# Altium PCB MCH_MAIN.PCBDOC (part 5 of 14)
Units mil, origin at the board's own origin, x right, y up, seen from the top; angles counter-clockwise.
Board outline 7110.66 x 2894.12 mil, 6 copper layers (Top Layer, Power, MidLayer1, MidLayer4, GND, Bottom Layer), stack 61.549 mil thick; 630 components, 1085 nets, 3940 pads, 2676 vias.
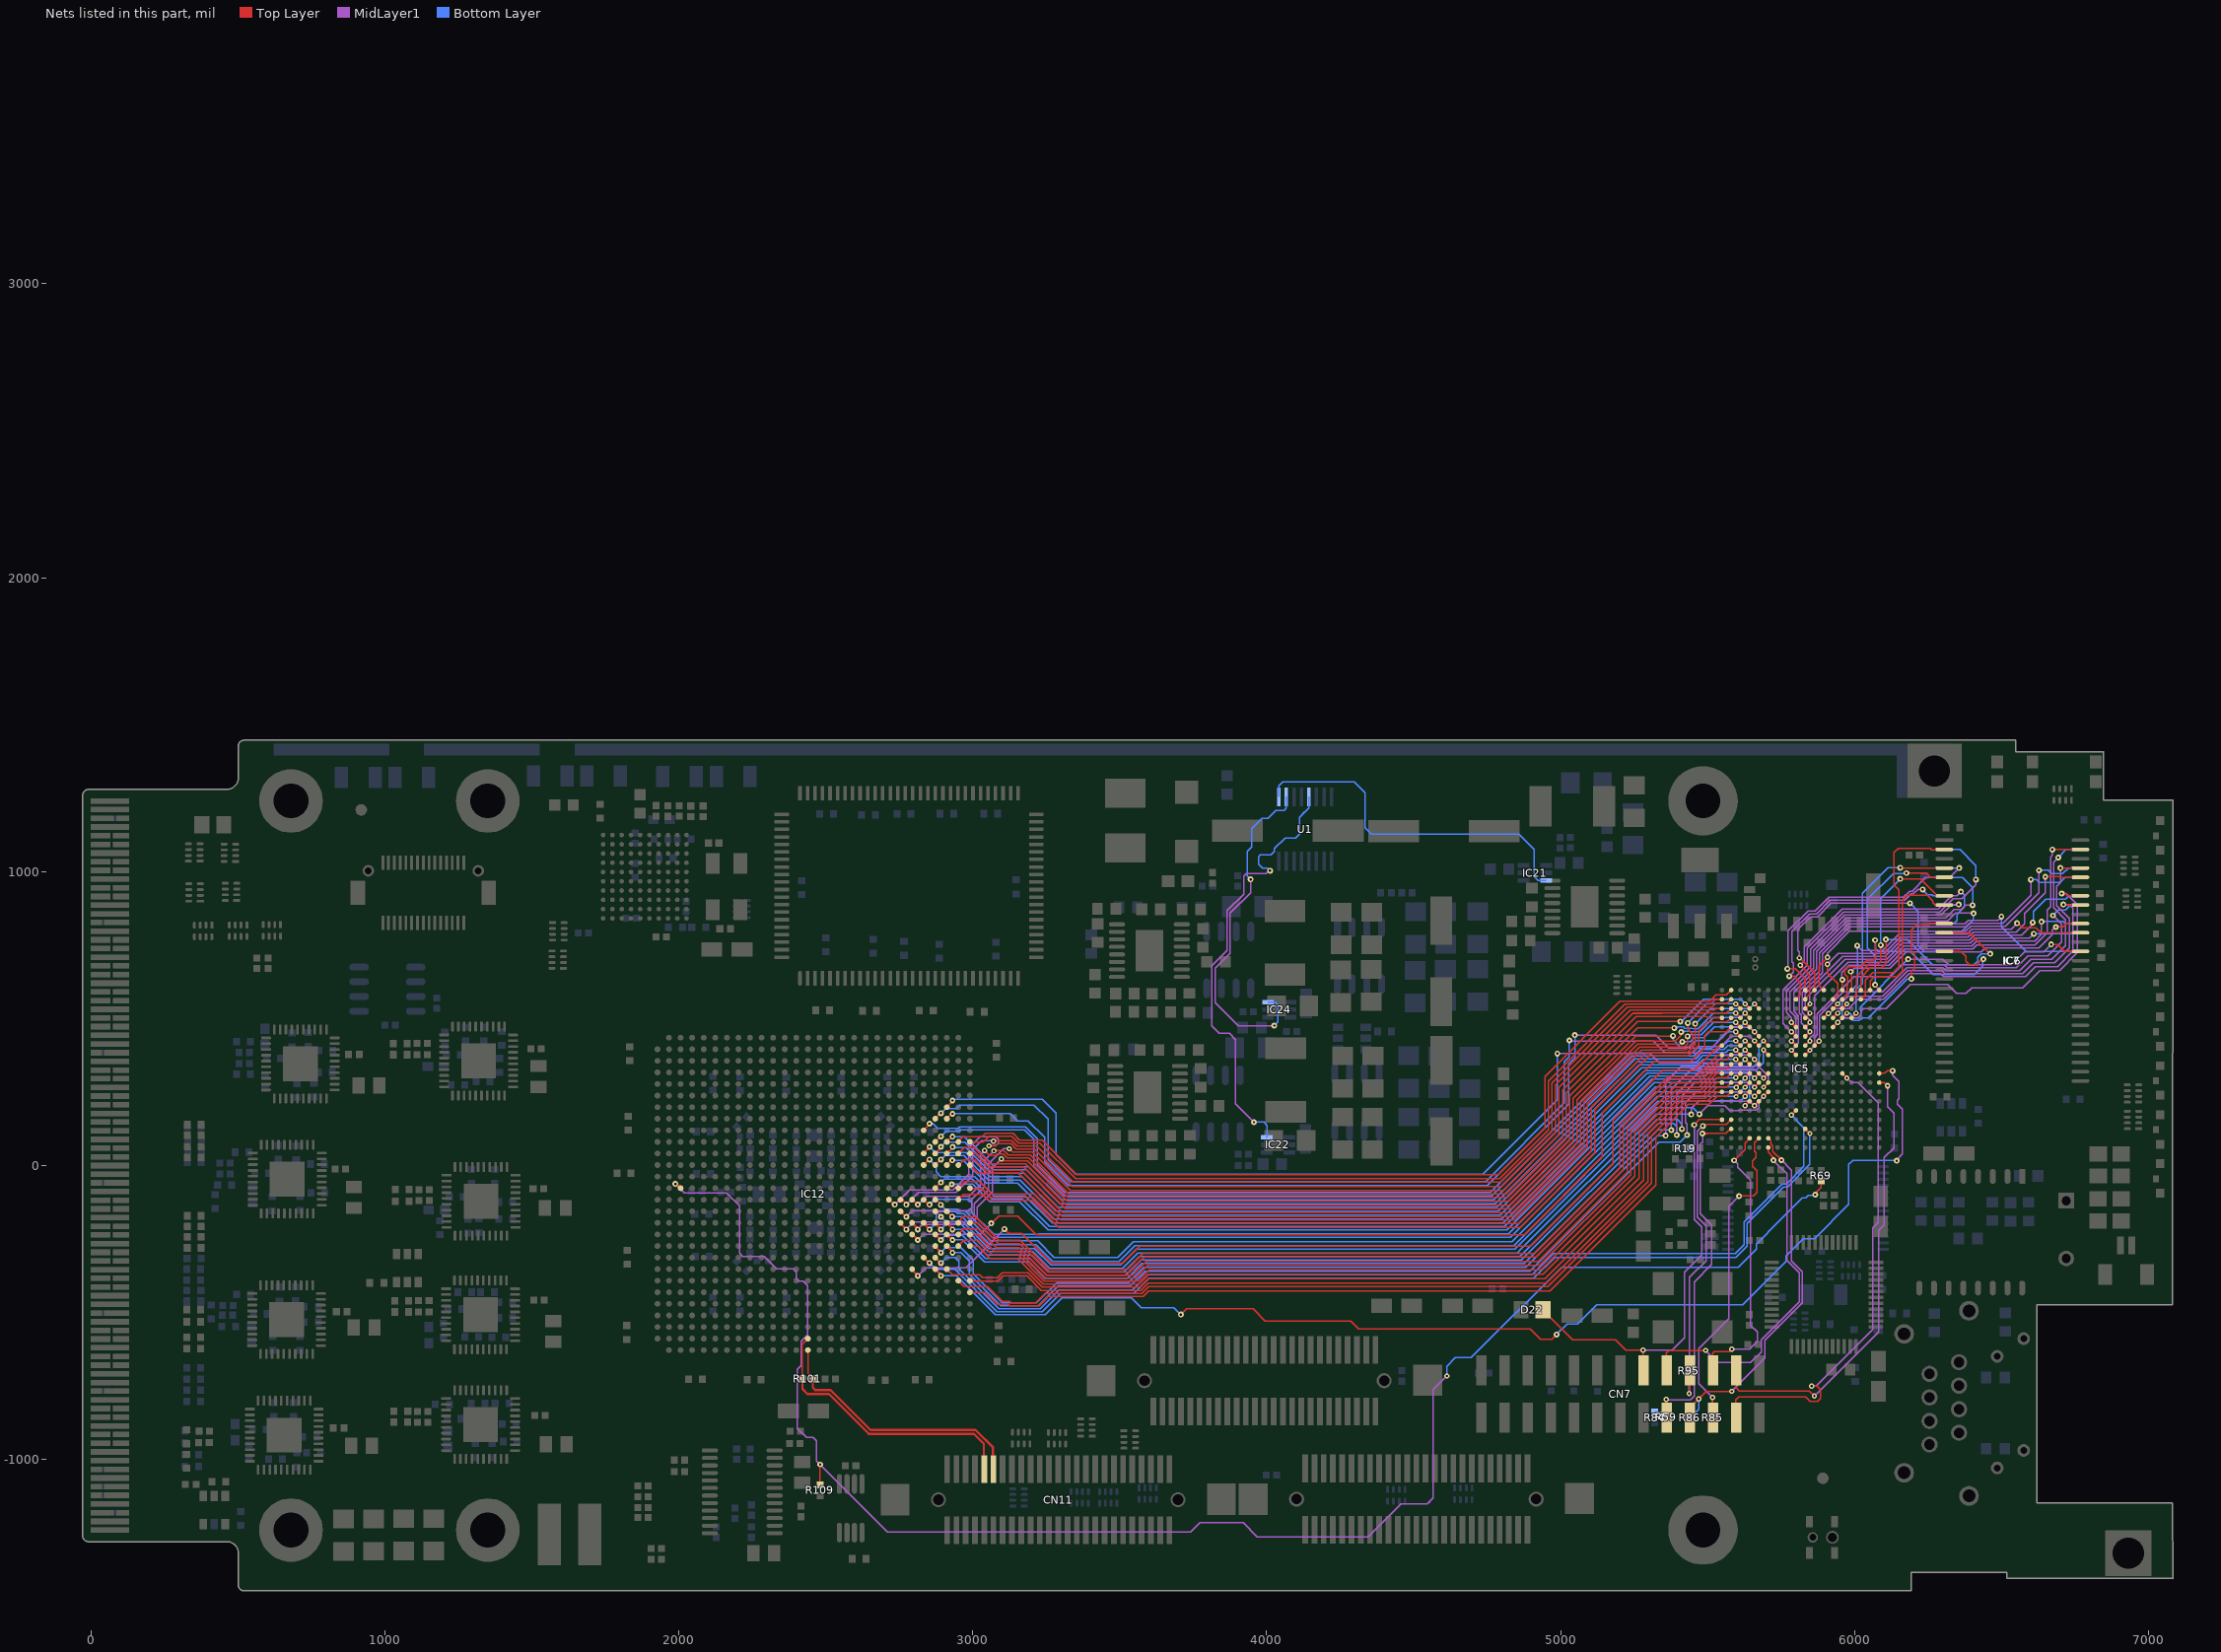
[diagram p9: the nets of this part, all layers, seen from the top]

## Via types
v1: diameter 20, hole 8, Top Layer to Bottom Layer, tented both sides, 1658 vias
v2: diameter 18, hole 8, Top Layer to Bottom Layer, tented both sides, 580 vias
v3: diameter 24, hole 10, Top Layer to Bottom Layer, tented both sides, 438 vias

## Nets (pads, with @x,y where several pads share a name; then routed paths per layer and width w, separated by ;. In a path a pad name is that pad's centre, name@x,y a point inside that pad or via, vN(x,y) a via of type N, cw(c..) or ccw(c..) an arc to the next point about the centre after c; other vN are vias at no path point) (continued)
CPU_A6: IC5.N7 IC12.M25 | length 3234.9
  Top Layer w5: v1@2888.1,17.4 IC12.M25@2872.43,1.73 v1@2891.05,20.35
  Top Layer w8: v2(5690.23,423.94) IC5.N7@5705.98,408.19
  Bottom Layer w5: v1(2892.03,20.35) 2905.78,34.1 2969.8,34.1 3053,-49.1 3160.4,-49.1 3279.4,-168.1 4793.8,-168.1 5285.28,323.38 5481.04,323.38 5492.65,334.99 5654.7,334.99 5674.24,354.53 5674.24,407.45 5690.23,423.44 v2(5690.23,423.94)
CPU_A7: IC5.T7 IC12.J24 | length 3160.7
  Top Layer w5: IC12.J24@2833.06,119.84 v1@2852.66,139.45
  Top Layer w8: v2(5595.74,423.94) IC5.T7@5611.49,408.19
  Bottom Layer w5: v1(2852.66,142.4) 2864.47,142.4 2880.97,125.9 2948.97,125.9 2954.47,131.4 3179.97,131.4 3219.8,91.57 3219.8,2.53 3314.43,-92.1 4760.77,-92.1 5050.8,197.93 5050.8,197.99 5236.19,383.38 5448.84,383.38 5470.02,404.56 5548.66,404.56 5568.05,423.94 v2(5595.74,423.94)
CPU_A8: IC5.P7 IC12.H25 | length 3398.6
  Top Layer w5: v1@2888.1,174.88 IC12.H25@2872.43,159.21 v1@2891.05,177.83
  Top Layer w8: v2(5658.74,423.94) IC5.P7@5674.48,408.19
  MidLayer1 w5: v1(5029.61,425.68) 5031.79,423.49 5315.83,423.49 5355.79,383.53 5523.95,383.53 5579.86,439.44 5588.83,439.44 ; 5588.71,439.33 5588.83,439.44 ; v2(5658.74,423.94) 5643.24,439.44 5588.83,439.44
  Bottom Layer w5: v1(2892.03,177.83) 2907.76,193.56 2945,193.56 2956.94,205.5 3208.8,205.5 3256.4,157.9 3256.4,20.9 3331.4,-54.1 4745.03,-54.1 5012.8,213.67 5012.8,353.1 5029.61,369.91 5029.61,425.1 v1@5030.19,425.68 ; v1(5029.61,425.68) v1@5030.19,425.68 ; v1@5030.77,426.26 v1@5030.19,425.68
CPU_A9: IC5.V7 IC12.AA23 | length 3277.5
  Top Layer w5: v1(3108,-216.1) 3121.9,-230 3165.58,-230 3268.28,-332.7 3509.23,-332.7 3568.23,-273.7 4898.8,-273.7 5178,5.5 5178,154.7 5346.83,323.53 5454.14,323.53 5538.47,407.86 IC5.V7@5545.64,407.86 ; IC5.V7@5545.64,407.86 IC5.V7@5548.61,407.86 IC5.V7@5545.64,407.86
  Top Layer w8: IC12.AA23@2793.69,-352.6 2793.69,-354.73 v1@2813.29,-374.33
  MidLayer1 w5: v1(2813.29,-375.25) 2840.1,-348.45 2977.39,-348.45 3108,-217.83 v1(3108,-216.1)
CPU_A10: IC5.U8 IC12.U28 | length 3054
  Top Layer w5: IC12.U28@2991.45,-196.04 IC12.U28@2990.54,-195.12 2990.79,-194.87 3015.63,-194.87 3087.46,-266.7 3159.85,-266.7 3255.85,-362.7 3533.37,-362.7 3584.11,-311.96 4917.11,-311.96 5214,-15.07 5214,134.3 5371.6,291.9 5466.84,291.9 5535.18,360.24 5563.54,360.24 IC5.U8@5579.89,376.59
CPU_A11: IC5.N8 IC12.M26 | length 3182.8
  Top Layer w5: v1@2927.2,17.13 IC12.M26@2911.8,1.73 v1@2930.42,20.35
  Top Layer w8: v2(5690.23,392.44) IC5.N8@5705.98,376.69
  Bottom Layer w5: v1@2930.5,15.68 2929.98,15.68 v1@2931.9,17.6 ; v1(2930.5,17.6) v1@2931.9,17.6 ; v1@2934.66,20.35 v1@2931.9,17.6 ; v2(5690.23,392.44) 5690.23,349.5 5664.9,324.17 5496.59,324.17 5485.8,313.38 5294.51,313.38 4799.43,-181.7 3274.8,-181.7 3153.4,-60.3 3046.9,-60.3 2969,17.6 v1@2931.9,17.6
CPU_A12: IC5.T8 IC12.K26 | length 3039.4
  Top Layer w5: v1@2927.2,95.87 IC12.K26@2911.8,80.47 v1@2930.42,99.09
  Top Layer w8: v2(5595.74,392.44) IC5.T8@5611.49,376.69
  Bottom Layer w5: v1@2935.14,101.06 2932.08,98 2971.9,98 3024.5,45.4 3024.5,44.48 3073.08,-4.1 3189.4,-4.1 3302.8,-117.5 4772.01,-117.5 5252.89,363.38 5459.03,363.38 5479.86,384.21 5562.17,384.21 5570.41,392.44 v2(5595.74,392.44)
  other v1: 2931.4,98.4
CPU_A13: IC5.R8 IC12.L25 | length 3103.7
  Top Layer w5: IC12.L25@2872.43,41.1 v1@2892.03,60.71 ; v1@2891.76,64.24 2893.02,65.49 v1@2893.02,69.56
  Top Layer w8: v2(5627.24,392.44) IC5.R8@5642.99,376.69
  Bottom Layer w5: v1@2892.03,60.71 v1(2892.03,63.66) 2907.77,79.4 2938.11,79.4 2973.5,79.4 3068,-15.1 3182.6,-15.1 3297.59,-130.09 4777.22,-130.09 5260.69,353.38 5463.17,353.38 5484,374.21 5575.8,374.21 5578.04,376.45 5611.24,376.45 v2(5627.24,392.44)
CPU_A14: IC5.R7 IC12.K25 | length 3184.6
  Top Layer w5: v1@2888.1,96.14 IC12.K25@2872.43,80.47 v1@2891.05,99.09
  Top Layer w8: v2(5627.24,423.94) IC5.R7@5642.99,408.19
  Bottom Layer w5: v1(2892.03,99.09) 2908.84,115.9 2938.65,115.9 2938.76,115.79 2953,115.79 2958.61,121.4 3161.17,121.4 3175.82,121.4 3207.8,89.43 3207.8,-2.44 3309.46,-104.1 4765.74,-104.1 5062.8,192.96 5062.8,193.02 5236.64,366.86 ; 5239.01,369.22 5236.64,366.86 ; v2(5627.24,423.94) 5611.74,408.44 5568.83,408.44 5554.95,394.56 5474.46,394.56 5453.28,373.38 5243.16,373.38 5236.64,366.86
CPU_A15: IC5.V8 IC12.U27 | length 3078.2
  Top Layer w5: IC12.U27@2951.17,-195.12 2960.35,-185.93 2960.35,-179.78 2967.04,-173.09 3007.99,-173.09 3089.2,-254.3 3107,-254.3 3161.59,-254.3 3259.99,-352.7 3526.4,-352.7 3579.14,-299.96 4912.14,-299.96 5202,-10.1 5202,139.27 5365.63,302.9 5461.79,302.9 5535.26,376.37 5538.8,376.37 IC5.V8@5548.61,376.37 IC5.V8@5544.49,376.37
CPU_A16: IC5.U9 IC12.V28 | length 3039.9
  Top Layer w5: IC12.V28@2990.54,-234.49 3007.34,-234.49 3007.88,-235.03 3018.1,-235.03 3074.57,-291.5 3156.37,-291.5 3247.57,-382.7 3553,-382.7 3595.72,-339.98 4928.72,-339.98 5238,-30.7 5238,118.67 5387.17,267.84 5471.97,267.84 5533.63,329.5 5564.29,329.5 IC5.U9@5580,345.2
CPU_A17: IC5.R9 IC12.L24 | length 3137.4
  Top Layer w5: IC12.L24@2833.06,41.1 v1@2852.66,60.71 ; v1@2852.39,64.24 2853.65,65.49 v1@2853.65,69.56
  Top Layer w8: v2(5627.24,360.95) IC5.R9@5642.99,345.2
  Bottom Layer w5: v1@2852.66,60.71 v1(2852.66,63.66) 2872.82,43.5 2976.4,43.5 3058,-38.1 3167.4,-38.1 3283.99,-154.69 4787.42,-154.69 5275.49,333.38 5476.28,333.38 5488.34,345.45 5611.74,345.45 v2(5627.24,360.95)
CPU_A18: IC5.T9 IC12.L26 | length 3012.2
  Top Layer w5: IC12.L26@2911.8,41.1 v1@2930.78,60.08 ; v1@2931.13,64.24 2932.39,65.49 v1@2932.39,69.56
  Top Layer w8: v2(5595.74,360.95) IC5.T9@5611.49,345.2
  Bottom Layer w5: v1@2930.19,60.68 2976.22,60.68 3063,-26.1 3174.8,-26.1 3290.8,-142.1 4782.2,-142.1 5267.68,343.38 5467.57,343.38 ; 5468.05,343.85 5485.14,360.95 v2(5595.74,360.95)
  other v1: 2931.7,62.9
CPU_A19: IC5.P9 IC12.G26 | length 3278.8
  Top Layer w5: IC12.G26@2911.8,198.58 v1@2931.4,218.19 ; v1@2931.13,221.72 2932.39,222.97 v1@2932.39,227.04
  Top Layer w8: v2(5658.74,360.95) IC5.P9@5674.48,345.2
  MidLayer1 w5: v1@4985.49,380.98 5303.9,380.98 5335.78,349.1 5529.28,349.1 5556.63,376.45 5643.24,376.45 v2(5658.74,360.95)
  Bottom Layer w5: v1@2931.4,218.19 v1(2931.4,221.14) v1@2934.24,221.14 ; v1@2932.71,219.9 2938.31,225.5 3236.2,225.5 3282.8,178.9 3282.8,36.9 3349.8,-30.1 4735.09,-30.1 4988.8,223.61 4988.8,377.67 v1@4985.49,380.98 ; v1@2934.24,221.27 v1@2935.42,222.45
  other v1: 4988.6,381.1
CPU_A20: IC5.V9 IC12.V27 | length 3059.2
  Top Layer w5: IC12.V27@2951.17,-234.49 2961.42,-224.24 2961.42,-221.63 2967.31,-215.74 3017.76,-215.74 3081.33,-279.3 3158.31,-279.3 3251.71,-372.7 3542.8,-372.7 3589.8,-325.7 4922.8,-325.7 5226,-22.5 5226,126.87 5379.2,280.07 5469.47,280.07 5477.27,287.87 ; 5475.38,285.99 5477.27,287.87 ; IC5.V9@5548.61,344.87 5534.27,344.87 5477.27,287.87
CPU_CS: IC5.P10 IC12.V25 | length 3309.9
  Top Layer w8: IC12.V25@2872.43,-234.49 2890.22,-252.29 v1@2892.03,-252.29 ; v2(5658.74,297.95) 5674.38,313.59 IC5.P10@5674.48,313.7
  MidLayer1 w5: v1(5394.82,103.7) 5395.04,103.91 5395.04,196.7 5394.8,196.94 5394.8,243.3 5469.66,318.16 5638.53,318.16 v2(5658.74,297.95)
  Bottom Layer w5: v1(2892.03,-253.21) 2908.53,-236.71 2964.4,-236.71 3043.8,-316.1 3194.6,-316.1 3252.2,-373.7 3519.6,-373.7 3571.2,-322.1 4867,-322.1 5332.8,143.7 5383.6,143.7 5394.82,132.48 v1(5394.82,103.7) v1@5394.82,100.24
CPU_D0: IC5.T10 IC12.P25 | length 3055.9
  Top Layer w5: v1@2888.1,-61.34 IC12.P25@2872.43,-77.01 v1@2891.05,-58.39
  Top Layer w8: v2(5595.7,298.5) 5595.7,298 5595.74,297.95 IC5.T10@5611.49,313.7
  Bottom Layer w5: v1(2892,-57.43) 2902.29,-47.14 2999.04,-47.14 3064.7,-112.8 3167.5,-112.8 3262.4,-207.7 4809.6,-207.7 5310.68,293.38 5525.12,293.38 5529.69,297.95 5595.74,297.95 5595.7,298 v2(5595.7,298.5)
CPU_D1: IC5.R10 IC12.P26 | length 3021
  Top Layer w5: IC12.P26@2913.5,-78.91 v1@2927.99,-64.42
  Top Layer w8: v2(5627.24,297.95) IC5.R10@5642.99,313.7
  Bottom Layer w5: v1@2928.41,-64.64 2929.28,-63.77 2999.27,-63.77 3058.3,-122.8 3158.9,-122.8 3255.82,-219.72 4817.82,-219.72 5319.5,281.96 5522.9,281.96 5523.94,283 5612.29,283 v2(5627.24,297.95)
  other v1: 2929,-64
CPU_D2: IC5.N10 IC12.V26 | length 3254.5
  Top Layer w8: IC12.V26@2911.8,-234.49 2911.8,-234.65 v1@2930.88,-253.73 ; v2(5690.23,297.95) IC5.N10@5705.87,313.59
  MidLayer1 w5: v1@5376.67,120.98 5376.67,259.37 5445.46,328.16 5660.03,328.16 v2(5690.23,297.95)
  Bottom Layer w5: v1(2931.4,-253.21) 2965.11,-253.21 3040.2,-328.3 3190.6,-328.3 3247.4,-385.1 3524.32,-385.1 3575.92,-333.5 4876.3,-333.5 5331.1,121.3 5357.2,121.3 ; 5360,121.3 5357.2,121.3 ; v1(5376.12,120.43) 5375.25,121.3 5357.2,121.3
CPU_D3: IC5.U11 IC12.AB28 | length 3006
  Top Layer w5: IC12.AB28@2990.54,-391.97 2992.67,-394.1 3085.89,-394.1 3104.39,-375.6 3183.9,-375.6 3233,-424.7 3572.32,-424.7 3596.96,-400.07 4952.03,-400.07 5296.77,-55.33 5296.77,106.67 5417.94,227.84 5491.87,227.84 5531.53,267.5 5565.29,267.5 IC5.U11@5580,282.21
CPU_D4: IC5.P12 IC12.W26 | length 3257.8
  Top Layer w8: IC12.W26@2911.8,-273.86 2931.4,-293.47 v1@2931.4,-295.59 ; v2(5658.74,234.96) IC5.P12@5674.38,250.6
  MidLayer1 w5: v1(5430.25,103.7) 5430.25,141.29 5424.74,146.81 5424.74,213.93 5461.16,250.35 5506.43,250.35 5543.83,250.35 ; 5543.95,250.46 5640.54,250.46 v2@5656.04,234.96
  Bottom Layer w5: v1(2931.4,-296.51) 2960.55,-296.51 2989,-324.97 2989,-360.1 2989,-370.1 3096,-477.1 3223.8,-477.1 3290,-410.9 3534.6,-410.9 3586.4,-359.1 4895,-359.1 5334.2,80.1 5406.66,80.1 v1(5430.25,103.7)
CPU_D5: IC5.V11 IC12.AA26 | length 3057.6
  Top Layer w5: IC12.AA26@2911.8,-352.6 2930.7,-371.5 3024.4,-371.5 3033.8,-380.9 3084.72,-380.9 3100.02,-365.6 3188.04,-365.6 3236.54,-414.1 3568.78,-414.1 3597.38,-385.5 4946,-385.5 5282.2,-49.3 5282.2,108.1 5411.94,237.84 5486.68,237.84 5530.72,281.88 IC5.V11@5548.61,281.88
  Top Layer w8: IC12.AA26@2911.8,-354.73 IC12.AA26@2911.8,-352.6
CPU_D6: IC5.N11 IC12.W25 | length 3475.9
  Top Layer w8: IC12.W25@2872.43,-273.86 2872.43,-275.99 v1@2892.03,-295.59 ; v2(5690.23,266.46) 5705.87,282.1 IC5.N11@5705.98,282.21
  MidLayer1 w5: v1(5357.42,101.73) 5357.42,283.92 5411.66,338.16 5671.95,338.16 5705.73,304.38 5705.73,281.96 v2(5690.23,266.46)
  Bottom Layer w5: v1(2892.03,-296.51) 2908.53,-280.01 2960.31,-280.01 3001.4,-321.1 3001.4,-367.5 3101,-467.1 3217.21,-467.1 3286,-398.31 3529.39,-398.31 3581.4,-346.3 4881.6,-346.3 5329.6,101.7 v1(5357.42,101.73)
CPU_D7: IC5.T11 IC12.R24 | length 3078.4
  Top Layer w5: IC12.R24@2833.06,-116.38 2846.91,-130.24 v1@2852.66,-130.24
  Top Layer w8: v2(5596.8,266.1) 5596.1,266.1 5595.74,266.46 IC5.T11@5611.49,282.21
  Bottom Layer w5: v1(2852.66,-133.13) 2870.57,-115.23 2984.93,-115.23 2996.98,-127.28 2996.98,-159.72 3069.85,-232.6 3071.73,-234.48 3224.8,-234.48 3226.8,-232.48 4822.98,-232.48 4823.2,-232.7 5322.36,266.46 5531.7,266.46 ; 5530.42,266.46 5531.7,266.46 ; v2@5595.38,266.1 v2@5595.74,266.46 ; v2(5596.8,266.1) 5596.1,266.1 v2@5595.74,266.46 ; 5531.7,266.46 v2@5595.74,266.46
CPU_D8: IC5.R11 IC12.R25 | length 3044.9
  Top Layer w5: IC12.R25@2872.43,-116.38 2876.21,-116.38 v1@2894,-134.18
  Top Layer w8: v2(5627.24,266.46) IC5.R11@5642.99,282.21
  Bottom Layer w5: v1(2891.21,-133.81) 2905.62,-148.23 2947.2,-148.23 2953.5,-154.53 2974.74,-154.53 3054.66,-234.44 3064.7,-244.48 4818.01,-244.48 4818.23,-244.7 4828.82,-244.7 5323.87,250.35 5502.31,250.35 5502.56,250.6 5611.38,250.6 v2(5627.24,266.46)
CPU_D9: IC5.N12 IC12.T25 | length 3198.2
  Top Layer w5: IC12.T25@2872.43,-155.75 2876.21,-155.75 v1@2894,-173.55
  Top Layer w8: v2(5690.23,234.96) IC5.N12@5705.98,250.71
  MidLayer1 w5: v1(5471.8,174.5) 5500,202.7 5559.47,202.7 5574.77,187.4 5604.88,187.4 5605.45,187.97 5665.16,187.97 5674.24,197.05 5674.24,218.97 v2(5690.23,234.96)
  Bottom Layer w5: v1(2892.03,-174.47) 2908.03,-190.47 2964.62,-190.47 3056.25,-282.1 3210.06,-282.1 3266.26,-338.3 3503.14,-338.3 3557.14,-284.3 4845.2,-284.3 5325.71,196.22 5450.09,196.22 v1(5471.8,174.5)
CPU_D10: IC5.P13 IC12.U25 | length 3154.4
  Top Layer w8: IC12.U25@2872.43,-195.12 2872.43,-197.25 v1@2892.03,-216.85 ; v2(5658.74,203.47) IC5.P13@5674.48,219.21
  MidLayer1 w5: v1(5444.43,173.97) 5444.43,194.5 5469.16,219.23 5560.53,219.23 5560.79,218.97 5643.24,218.97 v2(5658.74,203.47)
  Bottom Layer w5: v1(2892.03,-217.77) 2910.34,-199.47 2959.05,-199.47 3052.88,-293.3 3205.2,-293.3 3262,-350.1 3509,-350.1 3561.6,-297.5 4852.8,-297.5 4865.2,-285.1 ; 4867,-283.3 4865.2,-285.1 ; 5380.8,174.56 5389.2,174.56 ; v1@5444.43,174.56 5389.2,174.56 ; 4865.2,-285.1 5324.86,174.56 5389.2,174.56
CPU_D11: IC5.V12 IC12.AB27 | length 3018.8
  Top Layer w5: IC12.AB27@2951.17,-391.97 2970.7,-411.5 3050.4,-411.5 3101,-462.1 3125.69,-462.1 3129.18,-465.59 ; 3129.84,-466.26 3130.19,-466.6 3215.18,-466.6 3246.4,-435.38 3575.79,-435.38 3598.8,-412.37 4957.13,-412.37 5309.07,-60.43 5309.07,100.77 5426.14,217.84 5498.55,217.84 5531.09,250.38 IC5.V12@5548.61,250.38
CPU_D12: IC5.R12 IC12.T26 | length 3042.9
  Top Layer w5: IC12.T26@2911.8,-155.75 2911.8,-155.91 2927.47,-171.58 v1@2927.47,-169.61
  Top Layer w8: v2(5627.24,234.96) IC5.R12@5642.99,250.71
  Bottom Layer w5: v1(2929.79,-173.97) 2963.87,-173.97 3059.6,-269.7 3215.2,-269.7 3271.4,-325.9 3498,-325.9 3552,-271.9 4840.4,-271.9 5325.9,213.6 ; 5328.2,215.9 5325.9,213.6 ; v2(5627.24,234.96) 5626.74,234.96 5610.75,218.97 5590.24,218.97 5589.75,219.46 5532.63,219.46 5532.02,218.85 5331.15,218.85 5325.9,213.6
CPU_D13: IC5.U12 IC12.AC28 | length 3004.4
  Top Layer w5: IC12.AC28@2990.54,-431.34 3042.44,-431.34 3083.2,-472.1 3121.55,-472.1 3126.05,-476.6 3225.92,-476.6 3249.52,-453 3249.58,-453 3257.2,-445.38 3579.93,-445.38 3598.8,-426.51 4962.99,-426.51 5323.21,-66.29 5323.21,95.71 5435.34,207.84 5498.74,207.84 5504.53,207.84 5532.7,236.01 5565.29,236.01 IC5.U12@5580,250.71
CPU_D14: IC5.T12 IC12.U24 | length 3129.7
  Top Layer w8: IC12.U24@2833.06,-195.12 2833.06,-197.25 v1@2852.66,-216.85 ; v2(5596.66,234.47) 5596.24,234.47 5595.74,234.96 IC5.T12@5611.49,250.71
  Bottom Layer w5: v1(2852.66,-217.77) 2875.53,-194.9 2875.53,-167.63 2885.7,-157.47 2943.14,-157.47 2949.2,-163.53 2969.18,-163.53 3062.35,-256.7 3220.58,-256.7 3276.78,-312.9 3492.62,-312.9 3546.62,-258.9 4835.02,-258.9 5328.52,234.6 5533.99,234.6 5534.35,234.96 5596.17,234.96 v2(5596.66,234.47)
CPU_D15: IC5.R13 IC12.M24 | length 3286.4
  Top Layer w5: v1@2848.46,17.13 IC12.M24@2833.06,1.73 v1@2851.68,20.35
  Top Layer w8: v2(5627.24,203.47) IC5.R13@5642.99,219.21
  Bottom Layer w5: v1(2852.66,20.35) 2875.53,-2.52 2875.53,-21.92 2890.76,-37.14 3006,-37.14 3071.66,-102.8 3178.5,-102.8 3271,-195.3 4804.46,-195.3 5287.93,288.17 ; 5290.03,290.27 5287.93,288.17 ; v2(5627.24,203.47) 5642.74,218.97 5642.74,304.38 5633.12,314 5500.56,314 5489.95,303.38 5303.14,303.38 5287.93,288.17
CPU_D16: IC5.P3 IC12.P28 | length 3183.6
  Top Layer w5: IC12.P28@2990.54,-77.01 2991.47,-77.94 3029.01,-77.94 3059.72,-108.66 3204.76,-108.66 3293.8,-197.7 3313,-197.7 4855.4,-197.7 5104.8,51.7 5104.8,61.5 ; 5104.8,58.9 5104.8,61.5 ; v1(5458.04,482.06) 5458.97,481.13 5458.97,413.21 5429.28,383.53 5290.23,383.53 5104.8,198.1 5104.8,61.5
  Top Layer w8: v2(5658.74,549.92) IC5.P3@5674.48,534.18
  Bottom Layer w5: v1(5458.04,482.06) 5510.41,534.42 ; 5508.84,532.86 5510.08,534.09 5546.5,534.09 ; 5545.23,534.09 5546.5,534.09 ; v2(5658.74,549.92) 5643.24,534.42 5642.91,534.09 5546.5,534.09
CPU_D17: IC5.U1 IC12.K27 | length 3064.5
  Top Layer w5: IC12.K27@2951.17,80.47 2951.17,82.88 2966.1,97.81 3032.4,97.81 3043.99,109.4 3137.26,109.4 3159.88,86.78 3236.92,86.78 3354.6,-30.9 4788,-30.9 4946.2,127.3 4946.2,302.5 5202.1,558.4 5506.41,558.4 5527.1,579.09 ; 5528.09,580.07 5527.1,579.09 ; IC5.U1@5580,597.17 5563.87,581.05 5529.06,581.05 5527.1,579.09
CPU_D18: IC5.R3 IC12.R23 | length 3462.2
  Top Layer w5: IC12.R23@2793.69,-116.38 2797.47,-116.38 2813.29,-132.21 v1@2813.29,-130.24 ; v2(3040,50.9) 3056.5,34.4 3078.42,34.4 3082.46,38.44 3082.5,38.4 3103.83,38.4 3117.09,25.15 3190.95,25.15 3324.4,-108.3 4818.78,-108.3 5019,91.92 5019,246.5 5262.43,489.93 v1(5406.86,489.93)
  Top Layer w8: v2(5627.24,549.92) IC5.R3@5642.99,534.18
  MidLayer1 w5: v1(2813.29,-133.13) 2841.92,-104.5 2987.5,-104.5 3026.45,-65.55 3026.45,9.9 ; 3026.45,25.95 3026.45,9.9 ; v2(3040,50.9) 3026.45,37.35 3026.45,9.9
  Bottom Layer w5: v1(5406.86,489.93) 5411.37,489.93 5486.86,565.42 5611.74,565.42 v2(5627.24,549.92)
CPU_D19: IC5.T3 IC12.P27 | length 3204.6
  Top Layer w5: IC12.P27@2951.17,-77.01 2951.17,-75.98 2972.83,-54.32 3022.22,-54.32 3031.5,-63.6 ; 3033.64,-65.74 3031.5,-63.6 ; 3118,-96.1 3135,-96.1 ; v1(5432.45,485.01) 5432.45,463.5 5448.97,446.98 5448.97,417.36 5425.14,393.53 5275.43,393.53 5091.4,209.5 5091.4,62.5 4843.4,-185.5 3299.46,-185.5 3210.06,-96.1 3135,-96.1 ; 3031.5,-63.6 3064,-96.1 3135,-96.1
  Top Layer w8: v2@5595.97,549.7 IC5.T3@5611.49,534.18
  Bottom Layer w5: v1(5432.45,485.01) 5497.37,549.92 v2@5595.74,549.92
  other v2: 5596,549.8
CPU_D20: IC5.U2 IC12.R22 | length 3392.4
  Top Layer w5: IC12.R22@2754.32,-116.38 2760.06,-116.38 v1@2773.92,-130.24 ; v2(3071.11,82.9) 3070,82.9 3069,83.9 3070.33,85.23 3133.15,85.23 3151.6,66.78 3218.32,66.78 3342.2,-57.1 4796.63,-57.1 4970.2,116.47 4970.2,281.1 5227.5,538.4 5514.7,538.4 5526.27,549.97 5564.74,549.97 ; 5564.62,550.3 IC5.U2@5580,565.67
  MidLayer1 w5: v1(2773.92,-133.13) 2815.05,-92 2943.1,-92 3000,-35.1 3000,53.9 3030,83.9 3070.11,83.9 v2(3071.11,82.9)
CPU_D21: IC5.T4 IC12.U23 | length 3421.9
  Top Layer w5: v2(3097,21.9) 3103.94,14.96 3185.54,14.96 3322.4,-121.9 4822.15,-121.9 5031,86.95 5031,236.3 5262.6,467.9 5340.2,467.9 ; 5340.23,467.87 5354.2,467.87 ; 5350.59,467.87 5354.2,467.87 ; v1(5386.35,467.87) 5354.2,467.87
  Top Layer w8: IC12.U23@2793.69,-195.12 2811.32,-212.76 v1@2811.32,-216.85 ; v2(5595.74,518.43) IC5.T4@5611.49,502.68
  MidLayer1 w5: v1(2813.29,-217.77) 2829.87,-201.2 2988.5,-201.2 3015,-174.7 3015,-141.1 3067,-89.1 3067,-8.1 v2(3097,21.9)
  Bottom Layer w5: v1(5386.35,467.87) 5390.07,471.59 5417.23,471.59 5421.58,467.23 5448.12,467.23 5450.79,464.56 5466.7,464.56 5520.57,518.43 v2(5595.74,518.43)
CPU_D22: IC5.V2 IC12.K28 | length 2977.3
  Top Layer w5: IC12.K28@2990.54,80.47 2991.86,79.15 3035.03,79.15 3055.28,99.4 3133.12,99.4 3155.74,76.78 3228.52,76.78 3350.4,-45.1 4791.66,-45.1 4958.2,121.44 4958.2,288.1 5218.5,548.4 5510.56,548.4 5527.5,565.34 IC5.V2@5548.61,565.34
CPU_D23: IC5.U3 IC12.U22 | length 3536.9
  Top Layer w5: v2(3124,56.9) 3135.36,45.54 3202.69,45.54 3332.73,-84.5 4805.6,-84.5 4994.2,104.1 4994.2,266.1 5246,517.9 5344.4,517.9 ; 5246.17,518.07 5362.6,518.07 ; 5357.97,518.07 5362.6,518.07 ; IC5.U3@5580,534.18 5563.89,518.07 5362.6,518.07
  Top Layer w8: IC12.U22@2754.32,-195.12 2754.32,-197.25 v1@2773.92,-216.85
  MidLayer1 w5: v1(2773.92,-217.77) 2799.5,-192.2 2984.4,-192.2 3005.9,-170.7 3005.9,-130.6 3054,-82.5 3054,4.9 3106,56.9 v2(3124,56.9)
CPU_D24: IC5.U4 IC12.R27 | length 3099.3
  Top Layer w5: IC12.R27@2951.17,-116.38 2951.17,-114.56 2968.1,-97.63 3034.55,-97.63 3055.96,-119.03 3200.53,-119.03 3291.4,-209.9 4863.2,-209.9 5116.8,43.7 5116.8,54.9 ; 5116.8,48.7 5116.8,54.9 ; IC5.U4@5579.89,502.57 5565.29,487.98 5499.83,487.98 5469.03,457.18 5469.03,409.14 5433.42,373.53 5300.23,373.53 5116.8,190.1 5116.8,54.9
CPU_D25: IC5.R4 IC12.L28 | length 3115.6
  Top Layer w5: IC12.L28@2990.54,41.1 3008.4,41.1 3054.54,-5.04 3173.34,-5.04 3316,-147.7 4830.29,-147.7 5055.4,77.41 5055.4,224.41 5254.52,423.53 5342.6,423.53 ; 5334.54,423.53 5342.6,423.53 ; v1(5409.98,454.09) 5409.98,443.69 5389.81,423.53 5342.6,423.53
  Top Layer w8: v2(5627.24,518.43) IC5.R4@5642.99,502.68
  Bottom Layer w5: v1(5409.98,454.09) 5413.12,457.23 5438.72,457.23 5441.39,454.56 5472.45,454.56 5520.82,502.93 5611.74,502.93 v2(5627.24,518.43)
CPU_D26: IC5.T5 IC12.M28 | length 3078.8
  Top Layer w5: IC12.M28@2990.54,1.73 2990.79,1.73 3018.33,-25.8 3156.73,-25.8 3304.43,-173.5 4838.43,-173.5 5079.4,67.47 5079.4,214.47 5268.46,403.53 5346.8,403.53 ; 5342.82,403.53 5346.8,403.53 ; v1(5431.47,439.73) 5431.25,439.51 5431.25,413.78 5421,403.53 5346.8,403.53